# KiCad board smps_legged_robot.kicad_pcb (continued)
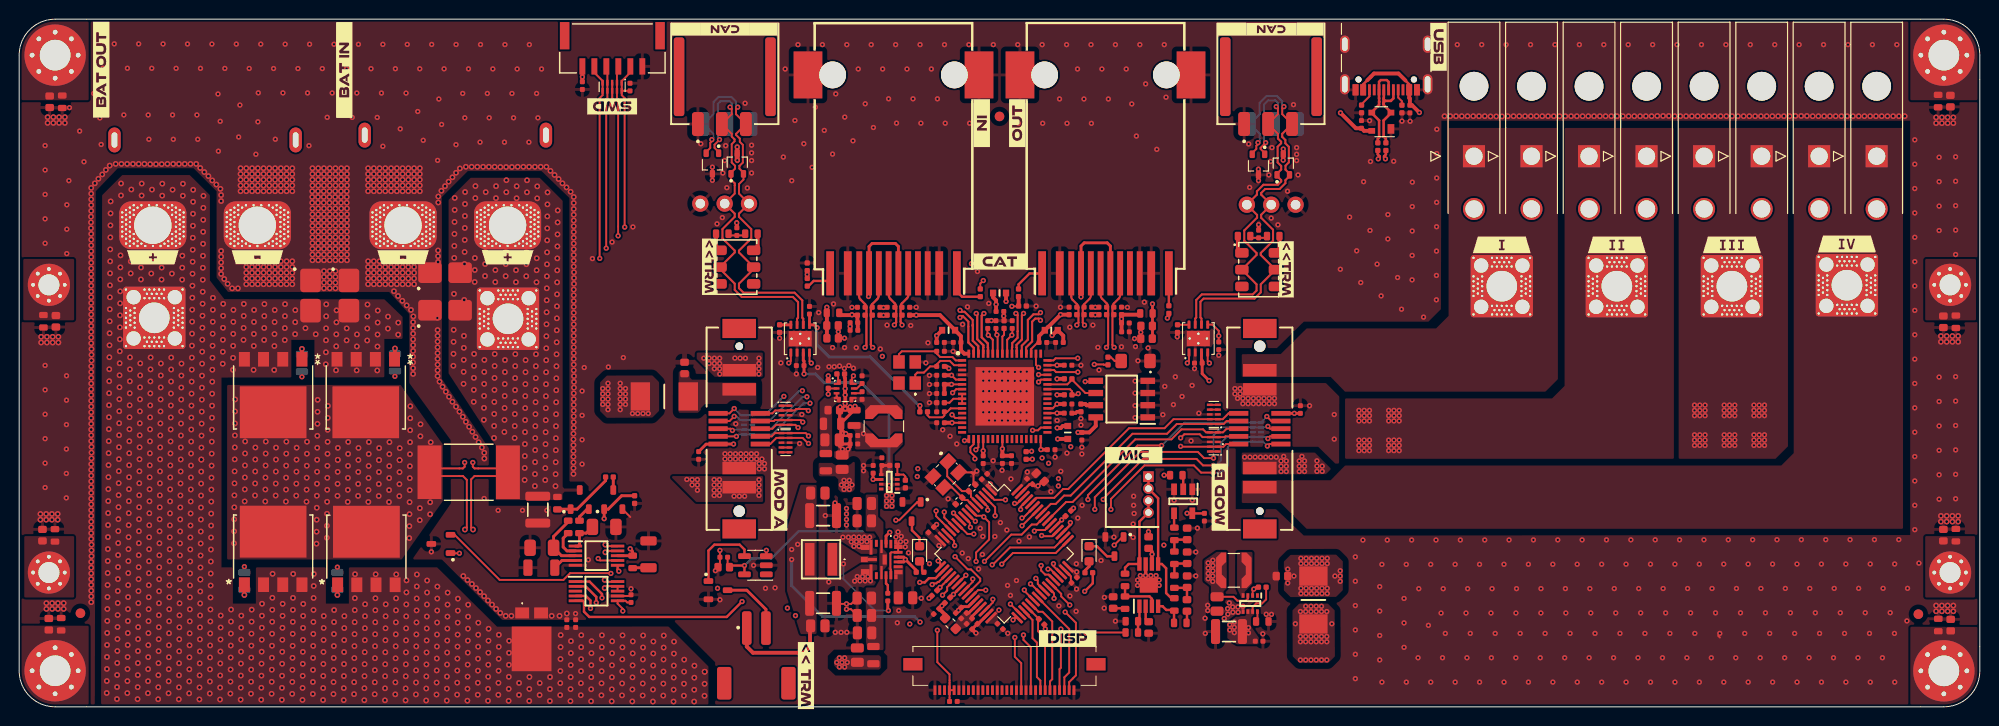
[diagram p0: board, top side]
## Nets (continued)
GND: C401.2 C402.2 C403.2 C404.2 C405.2 C406.2 C407.2 C408.2 C409.2 C410.2 C411.2 C412.2 C413.2 C414.2 C415.2 C416.2 C417.2 C801.2 C802.2 C803.1 C804.1 C805.1 C806.1 C807.2 C808.2 C809.2 C810.2 C811.2 C812.2 C813.2 C814.2 C816.2 C817.2 C818.2 C820.2 C901.2 C1001.2 C1101.2 C1102.2 C1103.2 C1104.2 C1105.2 C1109.2 C1110.2 C1111.2 C1112.1 C1113.2 C1114.2 C1115.1 C1116.2 C1117.2 C1118.2 C1119.2 C1120.2 C1121.2 C1122.2 C1123.2 C1124.2 C1125.2 C1126.2 C1127.2 C1128.2 C1129.2 C1130.2 C1131.2 C1132.2 C1133.2 C1134.2 C1135.2 C1136.2 C1137.2 C1138.2 C1139.2 C1140.2 C1141.2 C1142.2 C1143.2 C1144.2 C1145.2 C1146.2 C1147.2 C1149.2 C1150.2 C1201.2 C1202.2 C1203.2 C1204.2 C1205.2 C1207.1 C1302.2 C1401.2 C1501.2 C1502.2 C1503.2 C1504.2 C1701.2 C1702.2 C1703.2 C1704.2 C1705.2 C1707.2 C1708.2 C1709.2 C1801.2 C1802.2 C2001.2 C2102.2 C2103.2 C2104.2 C2105.2 C2201.2 C2202.2 C2203.2 C2204.2 D401.1 D402.3 D402.8 D501.1 D502.1 D503.1 D504.1 D901.3 D901.8 D902.3 D902.8 D903.3 D903.8 D1001.3 D1001.8 D1002.3 D1002.8 D1003.3 D1003.8 D1101.1 D1101.2 D1102.3 D1103.3 D1104.3 D1105.3 D1107.1 IC801.5 IC1101.4 IC1101.41 IC1101.65 IC1102.1 IC1102.2 IC1102.3 IC1102.4 IC1201.5 IC1201.7 IC1201.11 IC1201.16 IC1201.17 IC1201.18 IC1201.19 IC1201.21 IC1501.5 IC1701.7 IC1701.9 IC2001.7 J402.1 J403.A1 J403.A12 J403.B1 J403.B12 J403.S1 J501.1 J502.1 J1102.1 J1103.1 J1104.1 J1105.1 J1107.2 J1107.10 J1107.11 J1107.SH J1108.2 J1108.10 J1108.11 J1108.SH J1109.1 J1110.1 J1301.P2 J1702.1 J1702.5 J1702.9 J1702.11 J1702.13 J1702.17 J1702.21 J1702.24 J1702.25 J1702.30 J2501.P2 Molex_601.2 Molex_602.2 Molex_603.2 Molex_604.2 Molex_605.2 Molex_606.2 Molex_607.2 Molex_608.2 Q801.2 Q802.2 Q1102.2 Q1401.2 R402.1 R403.2 R801.2 R802.2 R804.2 R1101.2 R1102.2 R1105.1 R1115.1 R1116.1 R1130.1 R1135.1 R1136.1 R1502.1 R1504.1 R1705.1 R2102.2 R2103.2 R2104.2 R2105.2 R2201.2 R2202.2 R2203.2 R2204.2 U401.15 U401.27 U401.31 U401.47 U401.63 U801.1 U802.9 U1101.2 U1101.9 U1102.2 U1102.9 U1501.3 U1701.1 U1701.3 U1801.2 Y401.2 Y401.4 Y1101.2
VBUS: C403.1 C417.1 C808.1 D401.4 J403.A4 J403.A9 J403.B4 J403.B9 U801.6
/Project Architecture/Connectors - Communication/FDCAN1_N: D1102.2 D1103.2 J1104.3 J1105.3 J1110.2 SW1101.5 U1102.6
/Project Architecture/Connectors - Communication/FDCAN1_P: D1102.1 D1103.1 J1104.2 J1105.2 J1110.3 SW1101.2 U1102.7
/Project Architecture/Connectors - Communication/FDCAN1_RX: U401.61 U1102.4
/Project Architecture/Connectors - Communication/FDCAN1_S: R1102.1 U1102.8
/Project Architecture/Connectors - Communication/FDCAN1_TX: U401.62 U1102.1
/Project Architecture/Connectors - Communication/FDCAN2_N: D1104.2 D1105.2 J1102.3 J1103.3 J1109.3 SW1103.5 U1101.6
/Project Architecture/Connectors - Communication/FDCAN2_P: D1104.1 D1105.1 J1102.2 J1103.2 J1109.2 SW1103.2 U1101.7
/Project Architecture/Connectors - Communication/FDCAN2_RX: U401.58 U1101.4
/Project Architecture/Connectors - Communication/FDCAN2_S: R1101.1 U1101.8
/Project Architecture/Connectors - Communication/FDCAN2_TX: U401.59 U1101.1
/Project Architecture/Connectors - Communication/IRQ: IC1101.44 R1114.1 U401.8
/Project Architecture/Connectors - Communication/LED_CAT1: R1131.2 U401.2
/Project Architecture/Connectors - Communication/LED_CAT2: R1133.2 U401.3
/Project Architecture/Connectors - Communication/LED_ON1: IC1101.48 R1132.2 R1135.2
/Project Architecture/Connectors - Communication/LED_ON2: IC1101.46 R1134.2 R1136.2
/Project Architecture/Connectors - Communication/RXA_N: C1137.1 IC1101.54 J1107.8 R1123.2
/Project Architecture/Connectors - Communication/RXA_P: C1134.1 IC1101.55 J1107.6 R1121.2
/Project Architecture/Connectors - Communication/RXB_N: C1138.1 IC1101.61 J1108.8 R1124.2
/Project Architecture/Connectors - Communication/RXB_P: C1135.1 IC1101.60 J1108.6 R1122.2
/Project Architecture/Connectors - Communication/SPI3_MISO: IC1101.13 R404.1 U401.53
/Project Architecture/Connectors - Communication/SPI3_MOSI: IC1101.17 U401.54
/Project Architecture/Connectors - Communication/SPI3_NSS: IC1101.50 U401.51
/Project Architecture/Connectors - Communication/SPI3_SCK: IC1101.19 U401.52
/Project Architecture/Connectors - Communication/SYNC0: IC1101.34 U401.9
/Project Architecture/Connectors - Communication/SYNC1: IC1101.18 U401.10
/Project Architecture/Connectors - Communication/TXA_N: C1131.1 IC1101.52 J1107.5 R1119.2
/Project Architecture/Connectors - Communication/TXA_P: C1129.1 IC1101.53 J1107.3 R1117.2
/Project Architecture/Connectors - Communication/TXB_N: C1132.1 IC1101.63 J1108.5 R1120.2
/Project Architecture/Connectors - Communication/TXB_P: C1130.1 IC1101.62 J1108.3 R1118.2
/Project Architecture/Connectors - Rail Out 1/RAIL1: J301.1 J1301.P3 Molex_601.1 Molex_602.1
/Project Architecture/Connectors - Rail Out 1/RAIL2: J302.1 J1301.P4 Molex_603.1 Molex_604.1
/Project Architecture/Connectors - Rail Out 1/RAIL3: J303.1 J2501.P3 Molex_605.1 Molex_606.1
/Project Architecture/Connectors - Rail Out 1/RAIL4: J304.1 J2501.P4 Molex_607.1 Molex_608.1
/Project Architecture/Interface - Display/APWM: J1702.10 R1701.1
/Project Architecture/Interface - Display/INT: J1702.3 U401.39
/Project Architecture/Interface - Display/NRST: C405.1 D402.1 D402.10 J402.2 J1702.2 U401.7
/Project Architecture/Interface - Display/nSHDN: J1702.12 R1702.1
/Project Architecture/Interface - Display/SPI2_MISO: J1702.7 R406.1 U401.36
/Project Architecture/Interface - Display/SPI2_MOSI: J1702.6 U401.37
/Project Architecture/Interface - Display/SPI2_NSS: J1702.4 U401.34
/Project Architecture/Interface - Display/SPI2_SCK: J1702.8 U401.35
/Project Architecture/Interface - FAN /FAN: U401.25 U1801.3
/Project Architecture/MCU - Unit/CC1: J403.A5 R402.2
/Project Architecture/MCU - Unit/CC2: J403.B5 R403.1
/Project Architecture/MCU - Unit/CLOCK_IN: C401.1 U401.5 Y401.1
/Project Architecture/MCU - Unit/CLOCK_OUT: C402.1 U401.6 Y401.3
/Project Architecture/MCU - Unit/I2C2_SCL: D903.2 D903.9 J1301.S1 U401.43
/Project Architecture/MCU - Unit/I2C2_SDA: D903.4 D903.7 J1301.S3 U401.42
/Project Architecture/MCU - Unit/I2C3_SCL: D1003.2 D1003.9 J2501.S1 U401.40
/Project Architecture/MCU - Unit/I2C3_SDA: D1003.4 D1003.7 J2501.S3 U401.41
/Project Architecture/MCU - Unit/JTCK-SWCLK: D402.4 D402.7 J402.4 U401.50
/Project Architecture/MCU - Unit/JTMS-SWDIO: D402.5 D402.6 J402.5 U401.49
/Project Architecture/MCU - Unit/JTMS-SWO: D402.2 D402.9 J402.3 U401.56
/Project Architecture/MCU - Unit/MA_SHDN_VA: D902.5 D902.6 J1301.S8 U401.26
/Project Architecture/MCU - Unit/MA_SHDN_VB: D901.2 D901.9 J1301.S9 U401.60
/Project Architecture/MCU - Unit/MB_SHDN_VA: D1002.5 D1002.6 J2501.S8 U401.13
/Project Architecture/MCU - Unit/MB_SHDN_VB: D1001.2 D1001.9 J2501.S9 U401.17
/Project Architecture/MCU - Unit/PRE_EN: Q1102.1 R1105.2 U401.24
/Project Architecture/MCU - Unit/PRE_FLT: IC1501.6 R401.1 U401.23
/Project Architecture/MCU - Unit/RUN0_A: D902.2 D902.9 J1301.S4 U401.38
/Project Architecture/MCU - Unit/RUN0_B: D1002.2 D1002.9 J2501.S4 U401.11
/Project Architecture/MCU - Unit/RUN1_A: D902.1 D902.10 J1301.S2 U401.44
/Project Architecture/MCU - Unit/RUN1_B: D1002.1 D1002.10 J2501.S2 U401.4
/Project Architecture/MCU - Unit/SPI1_MISO: IC2001.4 R405.1 U401.20
/Project Architecture/MCU - Unit/SPI1_MOSI: IC2001.2 U401.21
/Project Architecture/MCU - Unit/SPI1_NSS: IC2001.1 U401.18
/Project Architecture/MCU - Unit/SPI1_SCK: IC2001.5 U401.19
/Project Architecture/MCU - Unit/TEMP_SENS: U401.33 U1501.2
/Project Architecture/MCU - Unit/USB+: R407.2 U401.45
/Project Architecture/MCU - Unit/USB-: R408.2 U401.46
/Project Architecture/MCU - Unit/USB_C+: D401.2 J403.A7 J403.B7 R407.1
/Project Architecture/MCU - Unit/USB_C-: D401.3 J403.A6 J403.B6 R408.1
/Project Architecture/MCU - Unit/~{ALERT}_A: D903.5 D903.6 J1301.S5 U401.55
/Project Architecture/MCU - Unit/~{ALERT}_B: D1003.5 D1003.6 J2501.S5 U401.14
/Project Architecture/MCU - Unit/~{FAULT0}_A: D901.1 D901.10 J1301.S7 U401.57
/Project Architecture/MCU - Unit/~{FAULT0}_B: D1001.1 D1001.10 J2501.S7 U401.22
/Project Architecture/MCU - Unit/~{FAULT1}_A: D902.4 D902.7 J1301.S6 U401.30
/Project Architecture/MCU - Unit/~{FAULT1}_B: D1002.4 D1002.7 J2501.S6 U401.12
/Project Architecture/Power - Local Generation/MODE_5V: R802.1 U802.1
/Project Architecture/Power - Precharge/PRE_D: NT1103.1 NT1602.2 Q1201.5 Q1202.5 Q1203.5 Q1204.5 R1505.2
/Project Architecture/Power - Precharge/PRE_G: IC1501.8 R1507.1 R1601.2 R1602.1 R1603.2 R1604.1
/Project Architecture/Power - Precharge/shunt+: IC1501.10 NT1101.1
/Project Architecture/Power - Precharge/shunt-: IC1501.9 NT1103.2
/Project Architecture/Power - Precharge/TIMER: C1502.1 IC1501.4
/Project Architecture/Sensor - Battery/shunt+: IC2001.10 NT1601.1
/Project Architecture/Sensor - Battery/shunt-: IC2001.8 IC2001.9 NT1602.1
Net-(C1111-Pad1): C1111.1 C1114.1 C1120.1 C1122.1 C1124.1 FB1104.2 IC1101.6 IC1101.24 IC1101.38
Net-(C1149-Pad1): C1149.1 R1107.2 R1108.1
Net-(C1150-Pad1): C1150.1 R1138.2 R1139.1
Net-(C1302-Pad1): C1302.1 F1301.2 J1301.P1
Net-(C1401-Pad1): C1401.1 F1401.2 J2501.P1
Net-(C1503-Pad1): C1503.1 R1507.2
Net-(C1702-Pad1): C1702.1 R1703.2 R1704.1
Net-(C1703-Pad1): C1703.1 R1704.2 R1706.1
Net-(C1704-Pad1): C1704.1 C1706.1 R1706.2
Net-(C1705-Pad1): C1705.1 R1707.1
Net-(C1706-Pad2): C1706.2 R1708.1
Net-(C2102-Pad1): C2102.1 H2101.1 R2102.1
Net-(C2103-Pad1): C2103.1 H2104.1 R2103.1
Net-(C2104-Pad1): C2104.1 H2102.1 R2104.1
Net-(C2105-Pad1): C2105.1 H2103.1 R2105.1
Net-(C2201-Pad1): C2201.1 H2201.1 R2201.1
Net-(C2202-Pad1): C2202.1 H2202.1 R2202.1
Net-(C2203-Pad1): C2203.1 H2203.1 R2203.1
Net-(C2204-Pad1): C2204.1 H2204.1 R2204.1
Net-(D801-A): D801.2 R807.2
Net-(D801-K): D801.1 Q801.3
Net-(D802-A): D802.2 R808.2
Net-(D802-K): D802.1 Q802.3
Net-(D1107-A): D1107.2 R1125.1
Net-(IC801-MODE/S-CONF): IC801.8 R801.1
Net-(IC801-SW): IC801.4 L802.1
Net-(IC1101A-EESCL/TCK): IC1101.43 IC1102.6 R1128.1
Net-(IC1101A-EESDA/TMS): IC1101.42 IC1102.5 R1129.1
Net-(IC1101A-FXSDA/FXLOSA/~{FXSDENA}): IC1101.8 IC1101.9 IC1101.10 R1115.2
Net-(IC1101A-OSCI): C1136.1 IC1101.1 Y1101.3
Net-(IC1101A-OSCO): C1133.1 IC1101.2 Y1101.1
Net-(IC1101A-RBIAS): IC1101.57 R1116.2
Net-(IC1101A-RST#): C1113.1 IC1101.11 R1113.1
Net-(IC1101A-RUNLED/~{E2PSIZE}): IC1101.45 R1125.2
Net-(IC1101A-VDD12TX1): C1112.2 C1115.2 FB1104.1 IC1101.56 IC1101.59
Net-(IC1101A-VDD33BIAS): C1125.1 FB1101.2 IC1101.58
Net-(IC1102-~{WC}): IC1102.7 R1130.2
Net-(IC1201-BIAS): C1205.1 IC1201.12 IC1201.13 IC1201.22
Net-(IC1201-BST): C1206.1 IC1201.10
Net-(IC1201-EP): C801.1 C802.1 C1202.1 C1203.1 C1204.1 FB1201.2 IC1201.3 IC1201.9 IC1201.23
Net-(IC1201-LX): C1206.2 IC1201.6 IC1201.20 L801.1
Net-(IC1501-EN): IC1501.1 R1501.1 R1502.2
Net-(IC1501-PROG): IC1501.3 R1503.1 R1504.2
Net-(IC1501-VREF): IC1501.2 R1503.2
Net-(IC1701-BYPASS): C1707.1 IC1701.2
Net-(IC1701-IN+): IC1701.3 R1707.2 R1710.1
Net-(IC1701-IN-): IC1701.4 R1708.2 R1709.1
Net-(IC1701-VO+): IC1701.5 J1701.1 J1701.2 R1709.2
Net-(IC1701-VO-): IC1701.8 J1701.3 J1701.4 R1710.2
Net-(IC1701-~{SHUTDOWN}): IC1701.1 R1702.2 R1705.2
Net-(J1107-Pad1): J1107.1 R1132.1
Net-(J1107-Pad12): J1107.12 R1131.1
Net-(J1107-RCT): C1141.1 C1143.1 J1107.4 J1107.7 R1126.2
Net-(J1108-Pad1): J1108.1 R1134.1
Net-(J1108-Pad12): J1108.12 R1133.1
Net-(J1108-RCT): C1142.1 C1144.1 J1108.4 J1108.7 R1127.2
Net-(J1801-Pin_2): J1801.2 Q1401.3
Net-(Q1101-G): Q1101.1 R1103.1 R1104.2
Net-(Q1101-S): Q1101.2 R1501.2
Net-(Q1102-D): Q1102.3 R1104.1
Net-(Q1201-Pad1): Q1201.1 R1601.1
Net-(Q1202-Pad1): Q1202.1 R1603.1
Net-(Q1203-Pad1): Q1203.1 R1604.2
Net-(Q1204-Pad1): Q1204.1 R1602.2
Net-(Q1401-G): Q1401.1 U1801.4
Net-(R1701-Pad2): R1701.2 U1701.2
Net-(R1703-Pad1): R1703.1 U1701.4
Net-(SW1101A-A): R1107.1 SW1101.1
Net-(SW1101B-A): R1108.2 SW1101.4
Net-(SW1103A-A): R1138.1 SW1103.1
Net-(SW1103B-A): R1139.2 SW1103.4
Net-(U801-MODE): C809.1 C816.1 C817.1 C818.1 L803.2 R803.2 R805.1 U801.3 U801.5 U802.8
Net-(U801-PR1): R804.1 R805.2 U801.4
Net-(U802-BOOT): C815.2 U802.6
Net-(U802-EN/UVLO): C811.1 C812.1 C813.1 FB801.2 U802.3 U802.4
Net-(U802-SW): C815.1 L803.1 U802.5

Pads without a net: D901 4 5 6 7; D903 1 10; D1001 4 5 6 7; D1003 1 10; IC801 1; IC1101 3 12 15 16 21 22 23 25 26 27 28 29 30 31 33 35 36 39 40 49; IC1201 4 8; IC2001 3; J402 7 8; J403 A8 B8; J501 S1 S2; J502 S1 S2; J1102 MP1 MP2; J1103 MP1 MP2; J1104 MP1 MP2; J1105 MP1 MP2; J1107 9; J1108 9; J1301 MP1 MP2; J1702 14 15 16 18 19 20 22 23 28 29 MP1 MP2; J1801 MP1 MP2; J2501 MP1 MP2; SW1101 3 6; SW1103 3 6; U801 8; U1801 1; Y1101 4

## Via types
v1: diameter 0.6, hole 0.3, L1 (Sig, PWR) to L6 (Sig, PWR), 1847 vias
v2: diameter 0.55, hole 0.25, L1 (Sig, PWR) to L6 (Sig, PWR), 1286 vias

## Routing (per net, layer and track width the routed paths; a pad name or vN(x,y) marks a point on that pad's centre or on a via; arc(x,y) is an arc through that point)
+3.3VA: length 3.1
  L1 (Sig, PWR) w0.3: C416.1 99.38,9.42 U401.29 ; C414.1 99.03,9.78 U401.28
+3V3: length 182.9
  L1 (Sig, PWR) w0.2: IC1101.37 v2(108.25,30.62) ; 106.55,27.92 106.55,26.84 v2(106.57,26.82) ; IC1101.14 v2(97.3,29.62) ; C2001.1 63.41,10.89 63.24,11.06 IC2001.6 62.41,10.76 62.96,10.22 v2(62.96,9.99) ; 125.12,38.21 v2(125.12,38.68) 125.12,39.2 124.47,39.85 U1102.5 ; C807.1 126.65,11.47 127.06,11.07 127.95,11.07 128.15,11.27 IC801.3 ; v2(45.91,16.01) 45.02,16.01 U1501.1 ; IC1101.20 v2(100.55,26.7) ; 109.89,20.62 109.63,20.37 109.62,20.37 ; IC1101.5 97.7,34.12 v2(97.25,34.57) ; IC1101.7 97.74,33.12 v2(97.36,32.75) ; IC1101.47 v2(108.25,35.62)
  L1 (Sig, PWR) w0.25: R406.2 106.92,8.23 v2(107.03,8.12) ; v2(121.81,20.18) U1701.5 122.37,20.17 C1701.1
  L1 (Sig, PWR) w0.3: v2(83.23,39.53) 82.93,39.83 U1101.5 82.44,40.94 C1101.1 ; v2(105.68,25.83) 105.66,25.81 R1114.2 ; C412.1 95.95,10.26
  L1 (Sig, PWR) w0.35: C1708.1 118.15,16.19 118.15,15.93 v2(118.17,15.91) 118.15,15.89 IC1701.6 ; R1113.2 93.94,31.4 v2(93.95,31.41)
  L1 (Sig, PWR) w0.4: C1123.1 106.58,26.81 v2(106.57,26.82) ; v2(108.25,34.19) 108.26,34.2 R1128.2 ; FB1103.1 v2(95.7,38.7) 95.7,37.99 ; C1109.1 v2(108.25,35.62) ; C1118.1 108.9,38.69 FB1102.1 ; 108.27,39.27 FB1102.1 ; FB1102.1 108.28,39.27 v2(107.73,38.72) ; C404.1 58.74,65.67 v2(58.74,65.68) 58.74,65.68 58.74,66.77 J402.6 ; IC1102.8 112.29,29.28 111.62,28.61 C1147.1 ; C1121.1 v2(108.25,30.62) ; C1128.1 v2(100.55,26.7) ; FB401.2 96.58,9.61 C412.1 96.24,10.53 v2(96.25,10.53) 96.25,10.53 R401.2 ; R1129.2 v2(108.25,32.53) ; C1110.1 v2(97.25,34.57) ; C1116.1 v2(97.3,29.62) ; C1117.1 v2(101.9,41.96) 101.9,42.38 101.58,42.69 FB1101.1
  L3 (Sig, PWR) w0.2: v2(45.91,16.01) 46.96,16.01 51.16,11.81 57.14,11.81 59.34,9.61 62.57,9.61 62.94,9.99
  L3 (Sig, PWR) w0.25: v2(62.96,9.99) 63.14,9.81 70.89,9.81 72.06,8.64 88.22,8.64 89.02,9.44 93.34,9.44 93.86,9.96 95.69,9.96 96.25,10.52
  L3 (Sig, PWR) w0.4: v2(96.25,10.53) 96.25,10.52 ; 108.25,35.62 v2(108.25,35.62) ; v2(125.12,38.68) 122.46,41.33 117.66,41.33 115.65,39.33 115.65,37.02 114.44,35.81 114.44,31 112.05,28.61 v2(110.44,28.61) ; 101.92,41.96 v2(101.9,41.96)
  L4 (Sig, PWR) w0.2: v2(62.96,9.99) 62.94,9.99
  L4 (Sig, PWR) w0.25: v2(102.19,10.09) 105.06,10.09 v2(107.03,8.12)
  L4 (Sig, PWR) w0.3: v2(58.74,65.68) 58.74,65.67 58.74,59.87 69.1,49.5 72.9,49.5 82.87,39.53 v2(83.23,39.53)
  L6 (Sig, PWR) w0.3: v2(83.23,39.53) 83.23,37.73 84.47,36.5 88.75,36.5 93.84,31.41 v2(93.95,31.41)
  vias: v2(94.9,11.32) v2(95.93,16.81) v2(101.29,23.23) v2(105.15,24.48) v2(109.97,20.71) v2(110.3,14.07) v2(124.02,15.01) v2(124.02,14.46) v2(124.02,13.91) v2(124.02,13.36) v2(124.5,15.28) v2(124.5,14.73) v2(124.5,14.18) v2(124.49,13.63) v2(124.49,13.08)
+3V3_A: length 10.9
  L1 (Sig, PWR) w0.2: C1126.1 106.23,37.99 105.55,37.31 IC1101.51 105.53,36.84
  L1 (Sig, PWR) w0.4: 111.87,40.89 112.22,40.89 v2(112.24,40.87) 112.26,40.89 R1121.1 ; R1126.1 116.8,40.89 R1123.1 114.98,40.45 v2(114.97,40.44) 114.98,40.43 114.98,39.11 C1146.1 ; C1126.1 106.38,38.67 FB1102.2 107.34,39.63 107.36,39.63 v2(108.62,40.89) R1117.1
+3V3_B: length 13
  L1 (Sig, PWR) w0.4: R1120.1 90.14,40.84 v2(90.15,40.83) 90.16,40.84 R1122.1 ; C1145.1 C1139.1 87.43,40.09 R1118.1 86.9,40.84 v2(86.86,40.88) 86.82,40.84 85.78,40.84 85.53,41.08 ; 99,36.82 98.58,36.82 98.23,37.17 C1127.1 98.23,38.65 FB1103.2 97.61,39.27 96.05,40.84 v2(93.57,40.84) R1124.1
+5V: length 82.2
  L1 (Sig, PWR) w0.2: IC801.7 128.65,10.42 129.02,10.78 129.64,10.78 130.06,11.2 R806.2 ; J1702.27 J1702.26 ; C1801.1 73.89,14.76 C1802.1 ; v2(95.77,7.98) 95.77,4.66 97.04,3.39 C1709.1
  L1 (Sig, PWR) w0.25: C1802.1 74.26,14.73 v2(75.65,14.73) 75.65,13.81 U1801.5
  L1 (Sig, PWR) w0.3: v2(81.87,34.71) 81.86,34.72 C1104.1 81.86,36.05 81.78,36.12 U1101.3 ; 95.8,7.92 95.77,7.96 v2(95.77,7.98) 95.79,7.96 ; U1102.3 123.31,36.19 123.39,36.11 C1105.1 123.39,34.73 v2(124.12,34.01)
  L4 (Sig, PWR) w0.3: v2(124.12,34.01) 124.12,30.21 126.64,27.69 126.64,15.94 129.67,12.91 129.67,11.21 128.22,9.76 v2(128.22,8.26)
  L6 (Sig, PWR) w0.25: v2(75.65,14.73) 75.66,14.73 76.41,15.47 78.46,15.47 81.31,18.32 87.98,18.32 ; 90.28,21.28 v2(90.47,21.47)
  L6 (Sig, PWR) w0.3: v2(90.75,23.09) 90.72,23.12 90.72,30.89 87.81,33.8 83.97,33.8 83.05,34.71 v2(81.87,34.71)
  vias: v2(90.47,22.03) v2(90.47,20.91) v2(90.75,22.53) v2(91.03,22.03) v2(91.03,21.47) v2(91.03,20.91) v2(126.27,8.56) v2(126.27,8.01) v2(126.74,8.83) v2(126.74,8.28) v2(126.74,7.73) v2(128.22,7.71)
+12V: length 134.3
  L1 (Sig, PWR) w0.25: 111.98,14.04 111.98,12.88 v2(111.14,12.04) ; 93.52,14.06 93.52,14.16
  L1 (Sig, PWR) w0.3: v2(74.51,27.4) J2501.S10 72.88,27.39 71.65,27.39 C1001.1 ; IC1201.15 91.68,15.61 92.27,15.61 92.51,15.36 ; 92.51,15.36 92.26,15.11 IC1201.14 ; 92.51,15.36 92.44,15.36 v2(92.44,15.36) 92.44,15.36 93.52,14.27 93.52,14.06 ; C901.1 v2(133,30.6) J1301.S10
  L1 (Sig, PWR) w0.4: J1801.1 75.89,6.28 76.53,5.64 81.84,5.64 82.49,6.29 82.49,8.38 C804.2
  L3 (Sig, PWR) w0.25: 122.83,12.04 122.84,12.05 ; 111.96,9.09 112.03,9.02
  L3 (Sig, PWR) w0.3: 92.44,15.39 92.44,15.39 v2(92.44,15.36) 92.43,15.36 91.68,16.11 82.03,16.11 v2(81.2,16.94) ; 122.84,12.05 126.81,12.05 137.24,22.47 137.24,26.95 133.59,30.6 v2(133,30.6) ; v2(93.97,8.83) 93.97,8.81 96.44,6.33 111.34,6.33 112.4,7.4 112.4,8.65 111.14,9.92 v2(111.14,12.04) 122.83,12.04
  L4 (Sig, PWR) w0.35: v2(74.51,27.4) 74.52,27.41 77.74,27.41 78.68,26.47 78.68,18.3 v2(80.57,16.41)
  L6 (Sig, PWR) w0.3: v2(80.57,15.36) 80.57,12.63 83.79,9.41 93.39,9.41 v2(93.97,8.83)
+VBAT: length 6.5
  L1 (Sig, PWR) w0.2: NT1601.2 50.58,24.06 R1505.1 50.58,24.86 NT1101.2
  vias: v1(45.32,39.31) v1(45.31,38.06) v1(45.3,36.81) v1(45.29,35.56) v1(45.43,53.06) v1(45.42,51.81) v1(45.41,50.56) v1(45.4,49.31) v1(45.39,48.06) v1(45.38,46.81) v1(45.35,43.06) v1(46.42,42.43) v1(46.39,38.68) v1(46.38,37.43) v1(46.37,36.18) v1(46.36,34.93) v1(46.35,33.68) v1(46.51,53.68) v1(46.5,52.43) v1(46.49,51.18) v1(46.48,49.93) v1(46.47,48.68) v1(46.46,47.43) v1(46.45,46.18) v1(47.43,34.3) v1(47.42,33.05) v1(47.41,31.8) v1(47.53,46.8) v1(47.52,45.55) v1(47.51,44.3) v1(47.45,36.8) v1(47.44,35.55) v1(47.59,54.3) v1(47.58,53.05) v1(48.52,36.17) v1(48.51,34.92) v1(48.5,33.67) v1(48.49,32.42) v1(48.48,31.17) v1(48.47,29.92) v1(48.61,47.42) v1(48.6,46.17) v1(48.59,44.92) v1(48.66,53.67) v1(49.54,29.29) v1(49.53,28.04) v1(49.6,36.79) v1(49.59,35.54) v1(49.58,34.29) v1(49.57,33.04) v1(49.56,31.79) v1(49.55,30.54) v1(49.73,53.04) v1(49.68,46.79) v1(49.67,45.54) v1(49.66,44.29) v1(49.74,54.29) v1(50.63,31.16) v1(50.62,29.91) v1(50.61,28.66) v1(50.67,36.16) v1(50.66,34.91) v1(50.65,33.66) v1(50.64,32.41) v1(50.82,54.91) v1(50.81,53.66) v1(50.76,47.41) v1(50.75,46.16) v1(50.74,44.91) v1(51.73,34.28) v1(51.72,33.03) v1(51.71,31.78) v1(51.7,30.53) v1(51.69,29.28) v1(51.68,28.03) v1(51.83,46.78) v1(51.82,45.53) v1(51.81,44.28) v1(51.75,36.78) v1(51.74,35.53) v1(51.89,54.28) v1(51.88,53.03) v1(52.73,24.9) v1(52.72,23.65) v1(52.82,36.15) v1(52.81,34.9) v1(52.8,33.65) v1(52.79,32.4) v1(52.78,31.15) v1(52.77,29.9) v1(52.76,28.65) v1(52.75,27.4) v1(52.74,26.15) v1(52.91,47.4) v1(52.9,46.15) v1(52.89,44.9) v1(52.97,54.9) v1(52.96,53.65) v1(53.84,29.27) v1(53.83,28.02) v1(53.82,26.77) v1(53.81,25.52) v1(53.8,24.27) v1(53.79,23.02) v1(53.9,36.77) v1(53.89,35.52) v1(53.88,34.27) v1(53.87,33.02) v1(53.86,31.77) v1(53.85,30.52) v1(54.04,54.27) v1(54.03,53.02) v1(53.98,46.77) v1(53.97,45.52) v1(53.96,44.27) v1(54.93,31.14) v1(54.92,29.89) v1(54.91,28.64) v1(54.9,27.39) v1(54.89,26.14) v1(54.88,24.89) v1(54.87,23.64) v1(55.04,44.89) v1(55.03,43.64) v1(55.02,42.39) v1(55.01,41.14) v1(55,39.89) v1(54.99,38.64) v1(54.98,37.39) v1(54.97,36.14) v1(54.96,34.89) v1(54.95,33.64) v1(54.94,32.39) v1(55.11,53.64) v1(55.1,52.39) v1(55.09,51.14) v1(55.08,49.89) v1(55.07,48.64) v1(55.06,47.39) v1(55.05,46.14) v1(56.04,35.51) v1(56.03,34.26) v1(56.02,33.01) v1(56.01,31.76) v1(56,30.51) v1(55.99,29.26) v1(55.98,28.01) v1(55.97,26.76) v1(55.96,25.51) v1(55.95,24.26) v1(55.94,23.01) v1(56.13,46.76) v1(56.12,45.51) v1(56.11,44.26) v1(56.1,43.01) v1(56.09,41.76) v1(56.08,40.51) v1(56.07,39.26) v1(56.06,38.01) v1(56.05,36.76) v1(56.17,51.76) v1(56.16,50.51) v1(56.15,49.26) v1(56.14,48.01)
+VIN: length 2.1
  L1 (Sig, PWR) w0.2: IC1501.7 60.59,15.26 v2(60.39,15.46)
  vias: v1(9.14,2.69) v1(9.13,1.44) v1(9.24,15.2) v1(9.23,13.95) v1(9.22,12.7) v1(9.21,11.45) v1(9.2,10.2) v1(9.19,8.95) v1(9.18,7.7) v1(9.17,6.45) v1(9.16,5.2) v1(9.15,3.95) v1(9.33,26.45) v1(9.32,25.2) v1(9.31,23.95) v1(9.3,22.7) v1(9.29,21.45) v1(9.28,20.2) v1(9.27,18.95) v1(9.26,17.7) v1(9.25,16.45) v1(9.43,38.95) v1(9.42,37.7) v1(9.41,36.45) v1(9.4,35.2) v1(9.39,33.95) v1(9.38,32.7) v1(9.37,31.45) v1(9.36,30.2) v1(9.35,28.95) v1(9.34,27.7) v1(9.54,52.7) v1(9.53,51.45) v1(9.52,50.2) v1(9.51,48.95) v1(9.5,47.7) v1(9.49,46.45) v1(9.48,45.2) v1(9.47,43.95) v1(9.46,42.7) v1(9.45,41.45) v1(9.44,40.2) v1(10.24,5.82) v1(10.23,4.57) v1(10.22,3.32) v1(10.21,2.06) v1(10.2,0.81) v1(10.33,17.07) v1(10.32,15.82) v1(10.31,14.57) v1(10.3,13.32) v1(10.29,12.07) v1(10.28,10.82) v1(10.27,9.57) v1(10.26,8.32) v1(10.25,7.07) v1(10.43,29.57) v1(10.42,28.32) v1(10.41,27.07) v1(10.4,25.82) v1(10.39,24.57) v1(10.38,23.32) v1(10.37,22.07) v1(10.36,20.82) v1(10.35,19.57) v1(10.34,18.32) v1(10.54,43.32) v1(10.53,42.07) v1(10.52,40.82) v1(10.51,39.57) v1(10.5,38.32) v1(10.49,37.07) v1(10.48,35.82) v1(10.47,34.57) v1(10.46,33.32) v1(10.45,32.07) v1(10.44,30.82) v1(10.63,54.57) v1(10.62,53.32) v1(10.57,47.07) v1(10.56,45.82) v1(10.55,44.57) v1(11.33,7.69) v1(11.32,6.44) v1(11.31,5.19) v1(11.3,3.94) v1(11.29,2.68) v1(11.28,1.43) v1(11.43,20.19) v1(11.42,18.94) v1(11.41,17.69) v1(11.4,16.44) v1(11.39,15.19) v1(11.38,13.94) v1(11.37,12.69) v1(11.36,11.44) v1(11.35,10.19) v1(11.34,8.94) v1(11.54,33.94) v1(11.53,32.69) v1(11.52,31.44) v1(11.51,30.19) v1(11.5,28.94) v1(11.49,27.69) v1(11.48,26.44) v1(11.47,25.19) v1(11.46,23.94) v1(11.45,22.69) v1(11.44,21.44) v1(11.64,46.44) v1(11.63,45.19) v1(11.56,36.44) v1(11.55,35.19) v1(11.7,53.94) v1(12.43,10.81) v1(12.42,9.56) v1(12.41,8.31) v1(12.4,7.06) v1(12.39,5.81) v1(12.38,4.56) v1(12.37,3.31) v1(12.36,2.05) v1(12.35,0.8) v1(12.54,24.56) v1(12.53,23.31) v1(12.52,22.06) v1(12.51,20.81) v1(12.5,19.56) v1(12.49,18.31) v1(12.48,17.06) v1(12.47,15.81) v1(12.46,14.56) v1(12.45,13.31) v1(12.44,12.06) v1(12.63,35.81) v1(12.62,34.56) v1(12.61,33.31) v1(12.6,32.06) v1(12.59,30.81) v1(12.58,29.56) v1(12.57,28.31) v1(12.56,27.06) v1(12.55,25.81) v1(12.72,47.06) v1(12.71,45.81) v1(12.7,44.56) v1(12.78,54.56) v1(12.77,53.31) v1(13.43,1.42) v1(13.54,15.18) v1(13.53,13.93) v1(13.52,12.68) v1(13.51,11.43) v1(13.5,10.18) v1(13.49,8.93) v1(13.48,7.68) v1(13.47,6.43) v1(13.46,5.18) v1(13.45,3.93) v1(13.44,2.67) v1(13.64,27.68) v1(13.63,26.43) v1(13.62,25.18) v1(13.61,23.93) v1(13.6,22.68) v1(13.59,21.43) v1(13.58,20.18) v1(13.57,18.93) v1(13.56,17.68) v1(13.55,16.43) v1(13.71,36.43) v1(13.7,35.18) v1(13.69,33.93) v1(13.68,32.68) v1(13.67,31.43) v1(13.66,30.18) v1(13.65,28.93) v1(13.79,46.43) v1(13.78,45.18) v1(13.85,53.93) v1(14.54,5.8) v1(14.53,4.55) v1(14.52,3.3) v1(14.51,2.04) v1(14.5,0.79) v1(14.64,18.3) v1(14.63,17.05) v1(14.62,15.8) v1(14.61,14.55) v1(14.6,13.3) v1(14.59,12.05) v1(14.58,10.8) v1(14.57,9.55) v1(14.56,8.3) v1(14.55,7.05) v1(14.73,29.55) v1(14.72,28.3) v1(14.71,27.05) v1(14.7,25.8) v1(14.69,24.55) v1(14.68,23.3) v1(14.67,22.05) v1(14.66,20.8) v1(14.65,19.55) v1(14.78,35.8) v1(14.77,34.55) v1(14.76,33.3) v1(14.75,32.05) v1(14.74,30.8) v1(14.93,54.55) v1(14.92,53.3) v1(14.87,47.05) v1(14.86,45.8) v1(14.85,44.55) v1(15.64,8.92) v1(15.63,7.67) v1(15.62,6.42) v1(15.61,5.17) v1(15.6,3.92) v1(15.59,2.66) v1(15.58,1.41) v1(15.73,20.17) v1(15.72,18.92) v1(15.71,17.67) v1(15.7,16.42) v1(15.69,15.17) v1(15.68,13.92) v1(15.67,12.67) v1(15.66,11.42) v1(15.65,10.17) v1(15.83,32.67) v1(15.82,31.42) v1(15.81,30.17) v1(15.8,28.92) v1(15.79,27.67) v1(15.78,26.42) v1(15.77,25.17) v1(15.76,23.92) v1(15.75,22.67) v1(15.74,21.42) v1(15.93,45.17) v1(15.86,36.42) v1(15.85,35.17) v1(15.84,33.92) v1(16,53.92) v1(15.94,46.42) v1(16.73,10.79) v1(16.72,9.54) v1(16.71,8.29) v1(16.7,7.04) v1(16.69,5.79) v1(16.68,4.54) v1(16.67,3.29) v1(16.66,2.03) v1(16.65,0.78) v1(16.84,24.54) v1(16.83,23.29) v1(16.82,22.04) v1(16.81,20.79) v1(16.8,19.54) v1(16.79,18.29) v1(16.78,17.04) v1(16.77,15.79) v1(16.76,14.54) v1(16.75,13.29) v1(16.74,12.04) v1(16.93,35.79) v1(16.92,34.54) v1(16.91,33.29) v1(16.9,32.04) v1(16.89,30.79) v1(16.88,29.54) v1(16.87,28.29) v1(16.86,27.04) v1(16.85,25.79) v1(17.02,47.04) v1(17.01,45.79) v1(17,44.54) v1(17.08,54.54) v1(17.07,53.29) v1(17.73,1.4) v1(17.84,15.16) v1(17.83,13.91) v1(17.82,12.66) v1(17.81,11.41) v1(17.8,10.16) v1(17.79,8.91) v1(17.78,7.66) v1(17.77,6.41) v1(17.76,5.16) v1(17.75,3.91) v1(17.74,2.65) v1(17.93,26.41) v1(17.92,25.16) v1(17.91,23.91) v1(17.9,22.66) v1(17.89,21.41) v1(17.88,20.16) v1(17.87,18.91) v1(17.86,17.66) v1(17.85,16.41) v1(18.04,40.16) v1(18.03,38.91) v1(18.02,37.66) v1(18.01,36.41) v1(18,35.16) v1(17.99,33.91) v1(17.98,32.66) v1(17.97,31.41) v1(17.96,30.16) v1(17.95,28.91) v1(17.94,27.66) v1(18.13,51.41) v1(18.12,50.16) v1(18.11,48.91) v1(18.1,47.66) v1(18.09,46.41) v1(18.08,45.16) v1(18.07,43.91) v1(18.06,42.66) v1(18.05,41.41) v1(18.15,53.91) v1(18.14,52.66) v1(18.84,5.78) v1(18.83,4.53) v1(18.82,3.28) v1(18.81,2.02) v1(18.8,0.77) v1(18.93,17.03) v1(18.92,15.78) v1(18.91,14.53) v1(18.9,13.28) v1(18.9,13.28) v1(18.89,12.03) v1(18.88,10.78) v1(18.87,9.53) v1(18.86,8.28) v1(18.85,7.03) v1(19.04,30.78) v1(19.03,29.53) v1(19.02,28.28) v1(19.01,27.03) v1(19,25.78) v1(19,25.78) v1(18.99,24.53) v1(18.98,23.28) v1(18.97,22.03) v1(18.96,20.78) v1(18.95,19.53) v1(18.94,18.28) v1(19.13,42.03) v1(19.12,40.78) v1(19.11,39.53) v1(19.1,38.28) v1(19.09,37.03) v1(19.08,35.78) v1(19.07,34.53) v1(19.06,33.28) v1(19.05,32.03) v1(19.22,53.28) v1(19.21,52.03) v1(19.2,50.78) v1(19.19,49.53) v1(19.18,48.28) v1(19.17,47.03) v1(19.16,45.78) v1(19.15,44.53) v1(19.14,43.28) v1(19.93,7.65) v1(19.92,6.4) v1(19.91,5.15) v1(19.9,3.9) v1(19.89,2.64) v1(19.88,1.39) v1(20.04,21.4) v1(20.03,20.15) v1(20.02,18.9) v1(20.01,17.65) v1(20,16.4) v1(19.99,15.15) v1(19.98,13.9) v1(19.97,12.65) v1(19.96,11.4) v1(19.95,10.15) v1(19.94,8.9) v1(20.13,32.65) v1(20.12,31.4) v1(20.11,30.15) v1(20.1,28.9) v1(20.09,27.65) v1(20.08,26.4) v1(20.07,25.15) v1(20.06,23.9) v1(20.05,22.65) v1(20.21,42.65) v1(20.2,41.4) v1(20.19,40.15) v1(20.18,38.9) v1(20.17,37.65) v1(20.16,36.4) v1(20.15,35.15) v1(20.14,33.9) v1(21.02,9.52) v1(21.01,8.27) v1(21,7.02) v1(20.99,5.77) v1(20.98,4.52) v1(20.97,3.27) v1(20.96,2.01) v1(20.95,0.76) v1(21.24,37.02) v1(21.23,35.77) v1(21.28,42.02) v1(21.27,40.77) v1(21.26,39.52) v1(21.25,38.27) v1(22.04,2.63) v1(22.03,1.38) v1(22.1,10.14) v1(22.09,8.89) v1(22.08,7.64) v1(22.07,6.39) v1(22.06,5.14) v1(22.05,3.89) v1(22.34,40.14) v1(22.33,38.89) v1(22.32,37.64) v1(22.31,36.39) v1(22.3,35.14) v1(22.35,41.39) v1(23.13,4.51) v1(23.12,3.26) v1(23.11,2) v1(23.1,0.75) v1(23.17,9.51) v1(23.16,8.26) v1(23.15,7.01) v1(23.14,5.76) v1(23.43,42.01) v1(23.42,40.76) v1(23.41,39.51) v1(23.4,38.26) v1(24.24,8.88) v1(24.23,7.63) v1(24.22,6.38) v1(24.21,5.13) v1(24.2,3.88) v1(24.19,2.62) v1(24.18,1.37) v1(24.25,10.13) v1(24.5,41.38) v1(24.49,40.13) v1(24.48,38.88) v1(24.47,37.63) v1(24.45,35.13) v1(25.33,10.75) v1(25.32,9.5) v1(25.31,8.25) v1(25.3,7) v1(25.29,5.75) v1(25.28,4.5) v1(25.27,3.25) v1(25.26,1.99) v1(25.25,0.74) v1(25.58,42) v1(25.57,40.75) v1(25.56,39.5) v1(25.55,38.25) v1(26.34,2.61) v1(26.33,1.36) v1(26.43,13.87) v1(26.41,11.37) v1(26.4,10.12) v1(26.39,8.87) v1(26.38,7.62) v1(26.37,6.37) v1(26.36,5.12) v1(26.35,3.87) v1(26.63,38.87) v1(26.62,37.62) v1(26.6,35.12) v1(26.65,41.37) v1(26.64,40.12) v1(27.43,4.49) v1(27.42,3.24) v1(27.41,1.98) v1(27.4,0.73) v1(27.48,10.74) v1(27.47,9.49) v1(27.46,8.24) v1(27.45,6.99) v1(27.44,5.74) v1(27.73,41.99) v1(27.72,40.74) v1(27.71,39.49) v1(27.7,38.24) v1(28.54,8.86) v1(28.53,7.61) v1(28.52,6.36) v1(28.51,5.11) v1(28.5,3.86) v1(28.49,2.6) v1(28.48,1.35) v1(28.58,13.86) v1(28.56,11.36) v1(28.55,10.11) v1(28.8,41.36) v1(28.79,40.11) v1(28.78,38.86) v1(29.63,10.73) v1(29.62,9.48) v1(29.61,8.23) v1(29.6,6.98) v1(29.59,5.73) v1(29.58,4.48) v1(29.57,3.23) v1(29.56,1.97) v1(29.55,0.72) v1(29.86,39.48) v1(30.63,1.34) v1(30.73,13.85) v1(30.72,12.6) v1(30.71,11.35) v1(30.7,10.1) v1(30.69,8.85) v1(30.68,7.6) v1(30.67,6.35) v1(30.66,5.1) v1(30.65,3.85) v1(30.64,2.59) v1(30.93,38.85) v1(31.73,4.47) v1(31.72,3.22) v1(31.71,1.96) v1(31.7,0.71) v1(31.77,9.47) v1(31.76,8.22) v1(31.75,6.97) v1(31.74,5.72) v1(32.03,41.97) v1(32.02,40.72) v1(32.01,39.47) v1(32,38.22) v1(31.99,36.97) v1(31.98,35.72) v1(32.84,8.84) v1(32.83,7.59) v1(32.82,6.34) v1(32.81,5.09) v1(32.8,3.84) v1(32.79,2.58) v1(32.78,1.33) v1(32.85,10.09) v1(33.1,41.34) v1(33.09,40.09) v1(33.08,38.84) v1(33.07,37.59) v1(33.05,35.09) v1(33.92,9.46) v1(33.91,8.21) v1(33.9,6.96) v1(33.89,5.71) v1(33.88,4.46) v1(33.87,3.21) v1(33.86,1.95) v1(33.85,0.7) v1(34.16,39.46) v1(34.15,38.21) v1(34.93,1.32) v1(35.03,13.83) v1(35.01,11.33) v1(35,10.08) v1(34.99,8.83) v1(34.98,7.58) v1(34.97,6.33) v1(34.96,5.08) v1(34.95,3.83) v1(34.94,2.57) v1(35.23,38.83) v1(35.22,37.58) v1(35.2,35.08) v1(36.04,5.7) v1(36.03,4.45) v1(36.02,3.2) v1(36.01,1.94) v1(36,0.69) v1(36.08,10.7) v1(36.07,9.45) v1(36.06,8.2) v1(36.05,6.95) v1(36.33,41.95) v1(36.32,40.7) v1(36.31,39.45) v1(36.3,38.2) v1(37.13,7.57) v1(37.12,6.32) v1(37.11,5.07) v1(37.1,3.82) v1(37.09,2.56) v1(37.08,1.31) v1(37.18,13.82) v1(37.16,11.32) v1(37.15,10.07) v1(37.14,8.82) v1(37.4,41.32) v1(37.39,40.07) v1(37.38,38.82) v1(37.37,37.57) v1(37.35,35.07) v1(38.23,10.69) v1(38.22,9.44) v1(38.21,8.19) v1(38.2,6.94) v1(38.19,5.69) v1(38.18,4.44) v1(38.17,3.19) v1(38.16,1.93) v1(38.15,0.68) v1(38.47,40.69) v1(38.46,39.44) v1(39.24,2.55) v1(39.23,1.3) v1(39.33,13.81) v1(39.31,11.31) v1(39.3,10.06) v1(39.29,8.81) v1(39.28,7.56) v1(39.27,6.31) v1(39.26,5.06) v1(39.25,3.81) v1(39.54,40.06) v1(39.53,38.81) v1(40.34,5.68) v1(40.33,4.43) v1(40.32,3.18) v1(40.31,1.92) v1(40.3,0.67) v1(40.4,13.18) v1(40.39,11.93) v1(40.38,10.68) v1(40.37,9.43) v1(40.36,8.18) v1(40.35,6.93) v1(41.43,7.55) v1(41.42,6.3) v1(41.41,5.05) v1(41.4,3.8) v1(41.39,2.54) v1(41.38,1.29) v1(41.48,13.8) v1(41.47,12.55) v1(41.46,11.3) v1(41.45,10.05) v1(41.44,8.8) v1(42.54,11.92) v1(42.53,10.67) v1(42.52,9.42) v1(42.51,8.17) v1(42.5,6.92) v1(42.49,5.67) v1(42.48,4.42) v1(42.47,3.17) v1(42.46,1.91) v1(42.45,0.66) v1(42.55,13.17) v1(43.54,2.53) v1(43.53,1.28) v1(43.62,12.54) v1(43.61,11.29) v1(43.6,10.04) v1(43.59,8.79) v1(43.58,7.54) v1(43.57,6.29) v1(43.56,5.04) v1(43.55,3.79) v1(44.63,4.41) v1(44.62,3.16) v1(44.61,1.9) v1(44.6,0.65) v1(44.69,11.91) v1(44.68,10.66) v1(44.67,9.41) v1(44.66,8.16) v1(44.65,6.91) v1(44.64,5.66) v1(45.73,7.53) v1(45.72,6.28) v1(45.71,5.03) v1(45.7,3.78) v1(45.69,2.52) v1(45.68,1.27) v1(45.76,11.28) v1(45.75,10.03) v1(45.74,8.78) v1(46.83,10.65) v1(46.82,9.4) v1(46.81,8.15) v1(46.8,6.9) v1(46.79,5.65) v1(46.78,4.4) v1(46.77,3.15) v1(46.76,1.89) v1(46.75,0.64) v1(47.84,2.51) v1(47.83,1.26) v1(47.89,8.77) v1(47.88,7.52) v1(47.87,6.27) v1(47.86,5.02) v1(47.85,3.77) v1(48.93,4.39) v1(48.92,3.14) v1(48.91,1.88) v1(48.9,0.63) v1(48.96,8.14) v1(48.95,6.89) v1(48.94,5.64) v1(50.03,7.51) v1(50.02,6.26) v1(50.01,5.01) v1(50,3.76) v1(49.99,2.5) v1(49.98,1.25) v1(51.1,6.88) v1(51.09,5.63) v1(51.08,4.38) v1(51.07,3.13) v1(51.06,1.87) v1(51.05,0.62) v1(52.13,1.24) v1(52.14,2.49) v1(53.22,3.12) v1(53.21,1.86) v1(53.2,0.61) v1(54.29,2.48) v1(54.28,1.23) v1(55.37,3.11) v1(55.36,1.85) v1(55.35,0.6) v1(56.43,1.22) v1(56.48,7.48) v1(56.47,6.23) v1(56.46,4.98) v1(56.45,3.73) v1(56.44,2.47) v1(57.54,5.6) v1(57.53,4.35) v1(57.52,3.1) v1(57.51,1.84) v1(57.5,0.59) v1(57.55,6.85) v1(58.63,7.47) v1(58.62,6.22) v1(58.61,4.97) v1(58.6,3.72) v1(58.59,2.46) v1(58.58,1.21) v1(59.7,6.84) v1(59.69,5.59) v1(59.68,4.34) v1(59.67,3.09) v1(59.66,1.83) v1(59.65,0.58) v1(60.73,1.2) v1(60.78,7.46) v1(60.77,6.21) v1(60.76,4.96) v1(60.75,3.71) v1(60.74,2.45) v1(61.84,5.58) v1(61.83,4.33) v1(61.82,3.08) v1(61.81,1.82) v1(61.8,0.57) v1(61.85,6.83) v1(62.93,7.45) v1(62.92,6.2) v1(62.91,4.95) v1(62.9,3.7) v1(62.89,2.44) v1(62.88,1.19) v1(64,6.82) v1(63.99,5.57) v1(63.98,4.32) v1(63.97,3.07) v1(63.96,1.81) v1(63.95,0.56) v1(65.04,2.43) v1(65.03,1.18) v1(65.08,7.44) v1(65.07,6.19) v1(65.06,4.94) v1(65.05,3.69) v1(66.13,4.31) v1(66.12,3.06) v1(66.11,1.8) v1(66.1,0.55) v1(66.15,6.81) v1(66.14,5.56) v1(67.23,7.43) v1(67.22,6.18) v1(67.21,4.93) v1(67.2,3.68) v1(67.19,2.42) v1(67.18,1.17) v1(68.3,6.8) v1(68.29,5.55) v1(68.28,4.3) v1(68.27,3.05) v1(68.26,1.79) v1(68.25,0.55) v1(69.34,2.41) v1(69.33,1.16) v1(69.36,4.92) v1(69.35,3.67) v1(70.43,4.29) v1(70.42,3.04) v1(70.41,1.78) v1(70.4,0.55) v1(71.5,3.66) v1(71.5,3.66) v1(71.49,2.4) v1(71.48,1.15) v2(60.87,33.19) v2(60.87,32.64) v2(60.87,32.08) v2(60.87,31.53) v2(61.41,33.73) v2(61.41,33.19) v2(61.41,32.64) v2(61.41,32.08) v2(61.41,31.53) v2(61.41,30.98) v2(62.69,33.73) v2(62.69,33.19) v2(62.69,32.64) v2(62.69,32.08) v2(62.69,31.53) v2(62.69,30.98) v2(63.24,33.19) v2(63.24,32.64) v2(63.24,32.08) v2(63.24,31.53) v2(63.96,30.58) v2(64.52,30.58) v2(65.06,30.58) v2(65.62,30.58) v2(85.27,4.63) v2(85.55,5.11) v2(85.55,4.16) v2(85.76,23.14) v2(85.82,4.63) v2(86.03,23.61) v2(86.03,22.67) v2(86.1,5.11) v2(86.1,4.16) v2(86.31,23.14) v2(86.37,4.63) v2(86.59,23.61) v2(86.59,22.67) v2(86.86,23.14) v2(133.11,8.66) v2(133.64,9.94) v2(133.64,7.33) v2(133.64,6.78) v2(133.64,4.89) v2(134.19,10.48) v2(134.19,9.94) v2(134.19,7.33) v2(134.19,6.78) v2(134.19,4.89) v2(134.74,10.48) v2(134.74,9.94) v2(134.74,7.33) v2(134.74,6.78) v2(134.74,4.89) v2(135.28,10.48) v2(135.28,9.94) v2(135.28,7.33) v2(135.28,6.78) v2(135.28,4.89) v2(135.84,10.48) v2(135.84,9.94) v2(135.84,7.33) v2(135.84,6.78) v2(135.84,4.89) v2(136.39,9.94) v2(136.39,7.33) v2(136.39,6.78) v2(136.39,4.89) v2(136.91,8.66)